# Altium PCB pico-fmeter-AS65-2.PcbDoc (part 2 of 3)
Units mm, origin at the board's own origin, x right, y up, seen from the top; angles counter-clockwise.
Board outline 150 x 100 mm, 2 copper layers (TOP, BOT), stack 1.57 mm thick; 208 components, 131 nets, 707 pads, 307 vias.
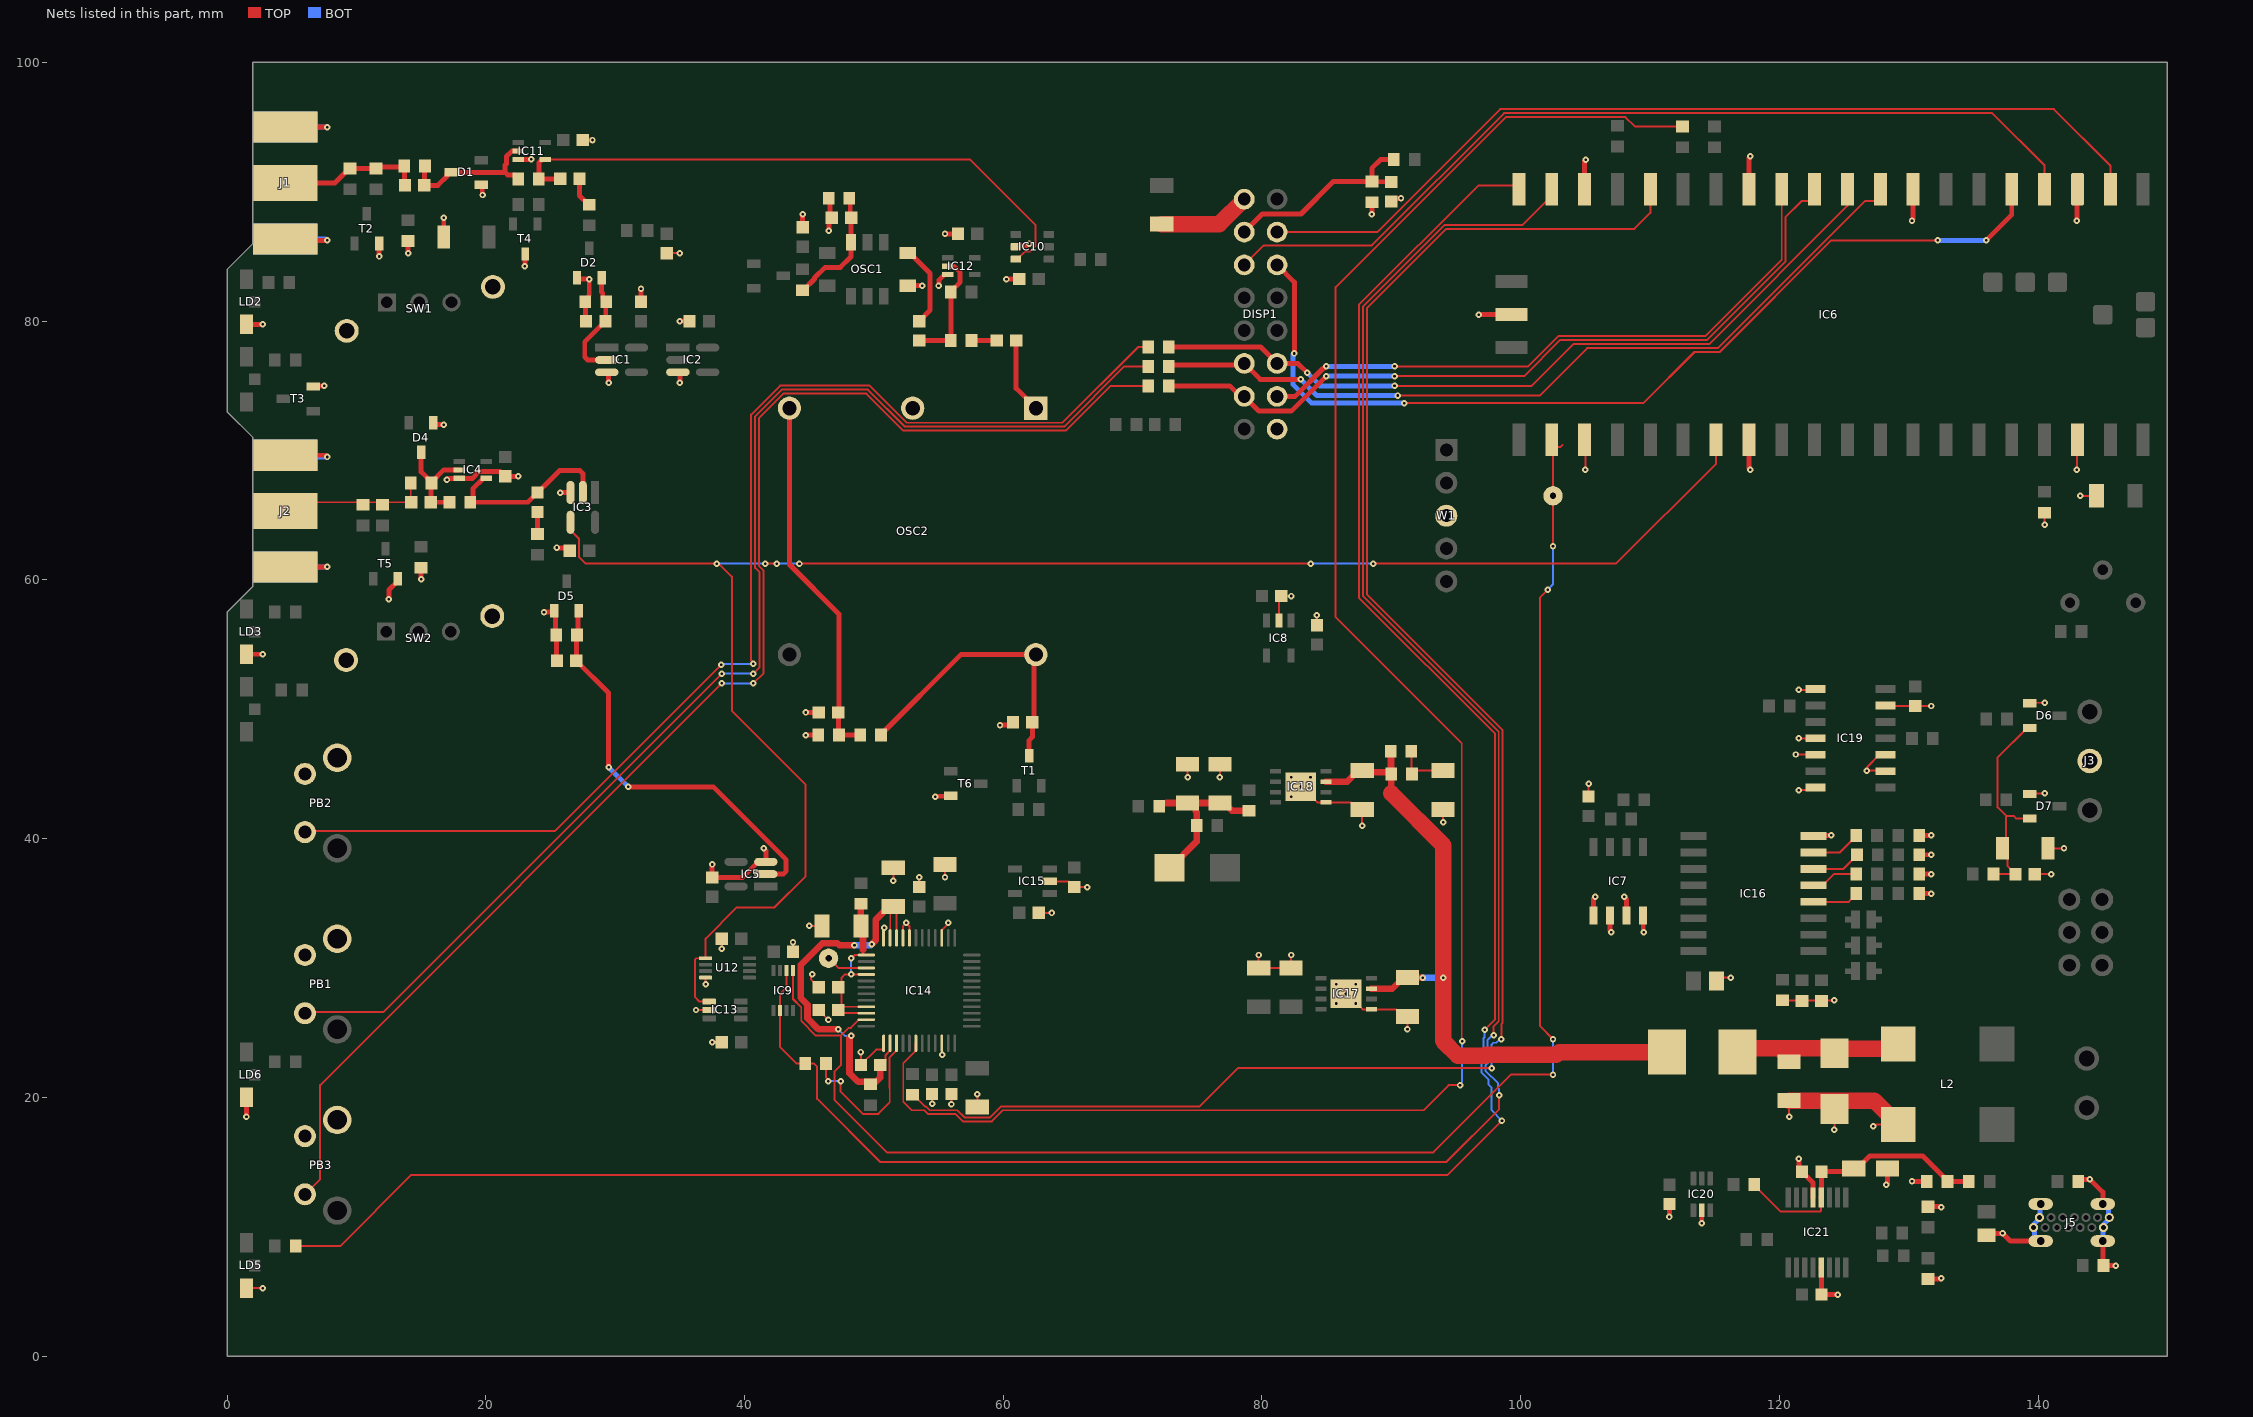
[diagram p2: the nets of this part, all layers, seen from the top]

## Part data
B1 B2: library part PLATED_HOLE0.5_PAD1.5, "Single Terminal Socket", Author="CERN DEM MR", Component Type="Standard (No BOM)", ComponentHeight=0mm, CreateDate=12.10.2017, Family="Plated Hole", HelpURL=Undefined, LatestRevisionDate=12.10.2017, Mounted=No, PackageDescription="Plated Through Hole: Hole Dia.=0.5mm Pad Dia.=1.5mm", Part Description="Plated Through Hole: Hole Dia.=0.5mm Pad Dia.=1.5mm", Part Number=PLATED_HOLE0.5_PAD1.5, Pin Count=1, Sense=No, SMD=No, Socket=No, Status=None
C1 C6 C7 C9 C11 C13 C14 C41: library part CC0603_1NF_50V_1%_NP0, "Non-polarised capacitor", Case=0603, Manufacturer=GENERIC, Manufacturer1 ComponentHeight=0.9mm, Manufacturer1 Example=AVX, Manufacturer1 Part Number=06035A102FAT2A, Tolerance=±1%, Voltage=50V, Author="CERN DEM JLC", Component Type=Standard, CreateDate=15.06.2017, HelpURL=\\cern.ch\dfs\Applications\Altium\Datasheets\CC0603_C0G_AVX.pdf, LatestRevisionDate=15.06.2017, Manufacturer Part Number=CC0603_1NF_50V_1%_NP0, Mounted=Yes, Part Description="SMD Multilayer Chip Ceramic Capacitor", Part Number=CC0603_1NF_50V_1%_NP0, Pin Count=2, Sense=No, SMD=Yes, Socket=No, Status=None, TC=C0G/NP0
C2 C3 C4 C5 C8 C10 C12 C15 C17 C18 C19 C21 C22 C24 C25 C29 C31 C32 C35 C38 C39 C42 C52 C53 C55 C59: library part CC0603_100NF_100V_10%_X7R, "Non-polarised capacitor", Case=0603, Manufacturer=GENERIC, Manufacturer1 ComponentHeight=0.9mm, Manufacturer1 Example=MURATA, Manufacturer1 Part Number=GRM188R72A104KA35D, Tolerance=±10%, Voltage=100V, Author="CERN DEM JLC", Component Type=Standard, CreateDate=11.12.2013, HelpURL=\\cern.ch\dfs\Applications\Altium\Datasheets\CC0603_MURATA_GRM188R72A104KA35D.pdf, LatestRevisionDate=11.12.2013, Manufacturer Part Number=CC0603_100NF_100V_10%_X7R, Mounted=Yes, Part Description="SMD Multilayer Chip Ceramic Capacitor", Part Number=CC0603_100NF_100V_10%_X7R, Pin Count=2, Sense=No, SMD=Yes, Socket=No, Status=None, TC=X7R
C16 C20 C23 C28 C30 C43 C44 C45 C46 C47 C48 C49 C50 C60: library part CC1206_22UF_10V_10%_X7R, "Non-polarised capacitor", Case=1206, Manufacturer=GENERIC, Manufacturer1 ComponentHeight=1.8mm, Manufacturer1 Example=MURATA, Manufacturer1 Part Number=GRM31CR71A226KE15L, Tolerance=±10%, Voltage=10V, Author="CERN DEM JLC", Component Type=Standard, CreateDate=08.06.2010, HelpURL=\\cern.ch\dfs\Applications\Altium\Datasheets\CC1206_X7R_MURATA_GRM-HI-CAP.pdf, LatestRevisionDate=08.06.2010, Manufacturer Part Number=CC1206_22UF_10V_10%_X7R, Mounted=Yes, Part Description="SMD Multilayer Chip Ceramic Capacitor", Part Number=CC1206_22UF_10V_10%_X7R, Pin Count=2, Sense=No, SMD=Yes, Socket=No, Status=Preferred, TC=X7R
C26: library part CC0805_100NF_50V_1%_NP0, "Non-polarised capacitor", Case=0805, Manufacturer=GENERIC, Manufacturer1 ComponentHeight=1.35mm, Manufacturer1 Example="WALSIN TECHNOLOGY CORPORATION", Manufacturer1 Part Number=0805N103F500C, Tolerance=±1%, Voltage=50V, Author="CERN DEM HF", Component Type=Standard, ComponentHeight=1.35mm, CreateDate=28.08.2023, HelpURL=\\cern.ch\dfs\Applications\Altium\Datasheets\CC0805_WALSIN_0805.pdf, LatestRevisionDate=28.08.2023, Manufacturer Part Number=CC0805_100NF_50V_1%_NP0, Mounted=Yes, Part Description="SMD Multilayer Chip Ceramic Capacitor", Part Number=CC0805_100NF_50V_1%_NP0, Pin Count=2, Sense=No, SMD=Yes, Socket=No, Status="Not Recommended", TC=C0G/NP0
C27 C33 C34 C36 C37 C40 C51: library part CC0603_2.2UF_10V_20%_X7R, "Non-polarised capacitor", Case=0603, Manufacturer=GENERIC, Manufacturer1 ComponentHeight=0.9mm, Manufacturer1 Example="TAIYO YUDEN", Manufacturer1 Part Number=LMK107B7225MA-T, Tolerance=±20%, Voltage=10V, Author="CERN DEM JLC", Component Type=Standard, CreateDate=22.06.2011, HelpURL=\\cern.ch\dfs\Applications\Altium\Datasheets\CC0603_X7R_TAIYO-YUDEN_HIGH-VALUE.pdf, LatestRevisionDate=27.06.2011, Manufacturer Part Number=CC0603_2.2UF_10V_20%_X7R, Mounted=Yes, Part Description="SMD Multilayer Chip Ceramic Capacitor", Part Number=CC0603_2.2UF_10V_20%_X7R, Pin Count=2, Sense=No, SMD=Yes, Socket=No, Status="Not Recommended", TC=X7R
C54: library part CTE3216-18_4.7UF_10V_10%_LESR1400, "Polarised capacitor", Case=A, Manufacturer=GENERIC, Manufacturer1 ComponentHeight=1.8mm, Manufacturer1 Example=AVX, Manufacturer1 Part Number=TPSA475K010R1400, Tolerance=±10%, Voltage=10V, Author="CERN DEM JLC", Component Type=Standard, CreateDate=05.05.2008, HelpURL=\\cern.ch\dfs\Applications\Altium\Datasheets\CTE-LESR_AVX_TPS.pdf, LatestRevisionDate=20.01.2009, Manufacturer Part Number=CTE3216-18_4.7UF_10V_10%_LESR1400, Mounted=Yes, Part Description="Low ESR 1R4 Solid Tantalum Chip Capacitor", Part Number=CTE3216-18_4.7UF_10V_10%_LESR1400, Pin Count=2, Sense=No, SMD=Yes, Socket=No, Status=Preferred
C56: library part CC0805_10NF_50V_5%_C0G, "Non-polarised capacitor", Case=0805, Manufacturer=GENERIC, Manufacturer1 ComponentHeight=0.88mm, Manufacturer1 Example=KEMET, Manufacturer1 Part Number=C0805C103J5GACTU, Tolerance=±5%, Voltage=50V, Author="CERN DEM JLC", Component Type=Standard, CreateDate=02.02.2011, HelpURL="\\cern.ch\dfs\Applications\Altium\Datasheets\CC0805_C0G_KEMET_(Commercial Grade).pdf", LatestRevisionDate=22.04.2015, Manufacturer Part Number=CC0805_10NF_50V_5%_C0G, Mounted=Yes, Part Description="SMD Multilayer Chip Ceramic Capacitor", Part Number=CC0805_10NF_50V_5%_C0G, Pin Count=2, Sense=No, SMD=Yes, Socket=No, Status=None, TC=C0G/NP0
C57 C58: library part CC0603_47PF_50V_5%_NP0, "Non-polarised capacitor", Case=0603, Manufacturer=GENERIC, Manufacturer1 ComponentHeight=0.87mm, Manufacturer1 Example=PHYCOMP, Manufacturer1 Part Number=223886715479, Tolerance=±5%, Voltage=50V, Author="CERN DEM JLC", Component Type=Standard, CreateDate=03.12.2007, HelpURL=\\cern.ch\dfs\Applications\Altium\Datasheets\CC0603_NP0_PHYCOMP.pdf, LatestRevisionDate=03.12.2007, Manufacturer Part Number=CC0603_47PF_50V_5%_NP0, Mounted=Yes, Part Description="SMD Multilayer Chip Ceramic Capacitor", Part Number=CC0603_47PF_50V_5%_NP0, Pin Count=2, Sense=No, SMD=Yes, Socket=No, Status=Preferred, TC=C0G/NP0
D1 D2 D4 D5 D6 D7: "Serial Diode", Case=SOT23-3, Manufacturer="FAIRCHILD SEMICONDUCTOR", Power=350mW, Voltage=70V, Author="CERN DEM JLC", Bonding=No, Component Type=Standard, ComponentHeight=1.1mm, CreateDate=06.05.2008, Device=BAV99, HelpURL=\\cern.ch\dfs\Applications\Altium\Datasheets\BAV99.pdf, LatestRevisionDate=27.09.2012, Manufacturer Part Number=BAV99, Mounted=Yes, PackageDescription="SOT, 0.95mm Pitch; 3 Pin, 1.40mm W X 3.00mm L X 1.10mm H body, IPC Medium Density", Part Description="Dual Series Signal Diode", Part Number=BAV99, Pin Count=3, PressFit=No, Sense=No, SMD=Yes, Socket=No
D3 D8: "Zener Diode", Case=SOD-80C, Manufacturer=NEXPERIA, Power=500mW, Voltage=3V3, Author="CERN DEM JLC", Bonding=No, Component Type=Standard, ComponentHeight=1.6mm, CreateDate=06.05.2008, Device=BZV55-B3V3, HelpURL=\\cern.ch\dfs\Applications\Altium\Datasheets\BZV55.pdf, LatestRevisionDate=22.01.2018, Manufacturer Part Number=BZV55-B3V3, Mounted=Yes, PackageDescription="SOD80C, MELF Diode, 2-Leads, Body 3.5x1.5mm, IPC Medium Density", Part Description="Voltage Regulator Diode", Part Number=BZV55-B3V3, Pin Count=2, PressFit=No, Sense=No, SMD=Yes, Socket=No
D9: "Zener Diode", Case=DO-214AA, Manufacturer="FAIRCHILD SEMICONDUCTOR", Power=600W, Voltage=5V, Author="CERN DEM JLC", Bonding=No, Component Type=Standard, ComponentHeight=2.65mm, CreateDate=08.12.2008, Device=SMBJ5V0A, HelpURL=\\cern.ch\dfs\Applications\Altium\Datasheets\SMBJ.pdf, LatestRevisionDate=19.12.2011, Manufacturer Part Number=SMBJ5V0A, Mounted=Yes, PackageDescription="DO-214-AA/SMB Diode, Molded Body; 5.34mm L X 3.625mm W X 2.65mm H, IPC Medium Density", Part Description="Uni-Directional Transient Voltage Suppressor Diode", Part Number=SMBJ5V0A, Pin Count=2, PressFit=No, Sense=No, SMD=Yes, Socket=No
D10: "Schottky Diode", Case=DO-214AA, Manufacturer="FAIRCHILD SEMICONDUCTOR", Power=2A, Voltage=60V, Author="CERN DEM JMW", Bonding=No, Component Type=Standard, ComponentHeight=2.65mm, CreateDate=10.07.2015, Device=SS26, HelpURL=\\cern.ch\dfs\Applications\Altium\Datasheets\SS26.pdf, LatestRevisionDate=10.07.2015, Manufacturer Part Number=SS26, Mounted=Yes, PackageDescription="DO-214-AA/SMB Diode, Molded Body; 5.34mm L X 3.625mm W X 2.65mm H, IPC Medium Density", Part Description="Schottky Rectifier", Part Number=SS26, Pin Count=2, PressFit=No, Sense=No, SMD=Yes, Socket=No
DISP1: "LCD character display socket with backlight"
IC1 IC2 IC3 IC5: library part CMP-0859-00076-5, "IC INVERTER SCHMITT 1CH SOT23-5", Case/Package=SOT-23, High Level Output Current=-4mA, Low Level Output Current=4mA, Max Operating Temperature=85°C, Max Supply Voltage=3.6V, Min Operating Temperature=-40°C, Min Supply Voltage=800mV, Package Quantity=3000, Quiescent Current=500nA, Contact Plating=Gold, Input Type="SCHMITT TRIGGER", Lead Free="Lead Free", Logic Function=Buffer, Mount="Surface Mount", Number of Bits=1, Number of Circuits=1, Number of Elements=1, Number of Gates=1, Number of Inputs=1, Number of Pins=5, Output Current=4mA, Packaging="Tape and Reel", Propagation Delay=20.5ns, Radiation Hardening=No, REACH SVHC="No SVHC", RoHS Compliant=Yes, Series=74AUP, Technology=CMOS, Turn-On Delay Time=6.2ns, Weight=0.000395oz
IC4 IC11 IC12: "Single Inverter Buffer", Case=SOT353, Manufacturer="NXP SEMICONDUCTORS", Author="CERN DEM JLC", Bonding=No, Component Type=Standard, ComponentHeight=1.1mm, CreateDate=11.01.2011, Device=74LVC1GU04GW, HelpURL=\\cern.ch\dfs\Applications\Altium\Datasheets\74LVC1GU04GW.pdf, LatestRevisionDate=11.01.2011, Manufacturer Part Number=74LVC1GU04GW, Mounted=Yes, PackageDescription="SOT353, SC70-5, 0.65mm Pitch; 5 Pin, 1.25mm W X 2.05mm L X 1.10mm H body, IPC Medium Density", Part Description=Inverter, Part Number=74LVC1GU04GW, Pin Count=3, PressFit=No, Sense=No, SMD=Yes, Socket=No
IC6: "RASPBERRY PI PICO RP2040 BOARD", Manufacturer="Raspberry Pi Foundation", Manufacturer Part No=SC0915, Supplier Part No=2648-SC0915CT-ND, Mounting Technology=SMT, Supplier=DigiKey, Supplier Link=https://www.digikey.com/en/products/detail/raspberry-pi/SC0915/13684020
IC7: library part CMP-2000-05370-2, "IC EEPROM 2K I2C 400KHZ 8SO", Ambient Temperature Range High=+85°C, Ambient Temperature Range Low=-40°C, Frequency=400kHz, Manufacturer=STMicroelectronics, Max Supply Voltage=5.5V, Min Supply Voltage=2.5V, Nominal Supply Current=0.5-1mA, Package=SO8N-SO-A, Temperature="-40°C to +85°C", Access Time=900ns, Automotive=No, Category=IC, ComponentLink2Description=Datasheet, ComponentLink2URL=https://www.st.com/resource/en/datasheet/m24c02-w.pdf, Device Class L1="Integrated Circuits (ICs)", Device Class L2=Memory, Device Class L3=EEPROM, Digikey Description="IC EEPROM 2K I2C 400KHZ 8SO", Height=1.75mm, Interface=I2C, Lead Free=Yes, Manufacturer Part Number=M24C02-WMN6TP, Memory Size=2Kbits, Memory Type=EEPROM, Mouser Description="M24C02 Series 2 Kb (256 x 8) 2.5 V SMT Serial I²C Bus EEPROM - SOIC-8", Octopart=https://octopart.com/m24c02-wmn6tp-stmicroelectronics-55404516, RoHS=TRUE, Standoff Height=0.1mm, Temperature Range High=+85°C, Temperature Range Low=-40°C
IC8 IC15: "600mA, Low-Dropout Linear Regulator", Case=SOT23-5, Manufacturer=RICHTEK, Author="CERN DEM BC", Bonding=No, Component Type=Standard, ComponentHeight=1mm, CreateDate=02.03.2020, Device=RT9080-33GJ5, HelpURL=\\cern.ch\dfs\Applications\Altium\Datasheets\RT9080-33GJ5.pdf, LatestRevisionDate=02.03.2020, Manufacturer Part Number=RT9080-33GJ5, Mounted=Yes, PackageDescription="SOT23, 0.95mm Pitch; 5 Pin, 1.60mm W X 2.90mm L X 1.00mm H body, IPC Medium Density", Part Description="3.3V, 600mA, Low-Dropout Linear Regulator", Part Number=RT9080-33GJ5, Pin Count=5, PressFit=No, Sense=No, SMD=Yes, Socket=No
IC9: "Low-Power Single Positive-Edge-Triggered D-Type Flip-Flop with Clear and Preset", Case=TSSOP8, Manufacturer="TEXAS INSTRUMENTS", Author="CERN DEM JLC", Bonding=No, Component Type=Standard, ComponentHeight=0.9mm, CreateDate=07.01.2015, Device=SN74AUP1G74DCUR, HelpURL=\\cern.ch\dfs\Applications\Altium\Datasheets\SN74AUP1G74DCUR.pdf, LatestRevisionDate=07.01.2015, Manufacturer Part Number=SN74AUP1G74DCUR, Mounted=Yes, PackageDescription="SOP, 0.50mm pitch; 8 pin, 2.30mm W X 2.00mm L X 0.90mm H body, IPC Medium Density", Part Description="Low-Power Single Positive-Edge-Triggered D-Type Flip-Flop with Clear and Preset", Part Number=SN74AUP1G74DCUR, Pin Count=8, PressFit=No, Sense=No, SMD=Yes, Socket=No
IC10: library part CMP-0859-00219-3, "Low-Power Configurable Multiple-Function Gate, DBV0006A, LARGE T&R", F @ Nom Voltage(Max)(Mhz)=100, Generic Part Number=SN74AUP1G97, ICC @ Nom Voltage(Max)(mA)=0.0009, Manufacturer="Texas Instruments", Operating Temperature Range(C)="-40 to 85", Rating=Catalog, tpd @ Nom Voltage(Max)(ns)=36.7,21.4,14.8,11.8,8.8,7.3, Voltage(Nom)(V)=0.8,1.2,1.5,1.8,2.5,3.3, 3-State Output=No, Bits(#)=1, DatasheetVersion=SCES505J, Gate Type=Configurable, Input Type=CMOS, Logic=True, Output Drive (IOL/IOH)(Max)(mA)=20/-20, Output Type=CMOS, PackageReference=DBV0006A, Schmitt Trigger=No, Sub-Family="Configurable Logic", Technology Family=AUP, VCC(Max)(V)=3.6, VCC(Min)(V)=0.8
IC13 IC20: library part CMP-0859-00523-3, "Low-Power Configurable Multiple-Function Gate, DCK0006A, LARGE T&R", F @ Nom Voltage(Max)(Mhz)=100, Generic Part Number=SN74AUP1G97, ICC @ Nom Voltage(Max)(mA)=0.0009, Manufacturer="Texas Instruments", Operating Temperature Range(C)="-40 to 85", Rating=Catalog, tpd @ Nom Voltage(Max)(ns)=36.7,21.4,14.8,11.8,8.8,7.3, Voltage(Nom)(V)=0.8,1.2,1.5,1.8,2.5,3.3, 3-State Output=No, Bits(#)=1, DatasheetVersion=SCES505J, Gate Type=Configurable, Input Type=CMOS, Logic=True, Output Drive (IOL/IOH)(Max)(mA)=20/-20, Output Type=CMOS, PackageReference=DCK0006A, Schmitt Trigger=No, Sub-Family="Configurable Logic", Technology Family=AUP, VCC(Max)(V)=3.6, VCC(Min)(V)=0.8
IC14: library part CMP-22772-000002-1, "AS6501-FLQM LQFP48 LF T&RDP", Ambient Temperature Range High=+125°C, Ambient Temperature Range Low=-40°C, Manufacturer=ams, Max Supply Voltage=3.6V, Min Supply Voltage=2.4V, Nominal Supply Current=60uA, Package=0, Temperature="-40°C to +125°C", Automotive=No, Category=IC, ComponentLink2Description=Datasheet, ComponentLink2URL=https://ams.com/documents/20143/36005/AS6501_DS000586_1-00.pdf, Device Class L1="Integrated Circuits (ICs)", Device Class L2="Interface ICs", Device Class L3="Sensor and Detector Interfaces", Digikey Description="AS6501-FLQM LQFP48 LF T&RDP", Height=1.6mm, Interface=SPI,LVDS, Ipc Land Pattern Name=QFP50P900X900X160-48, Lead Free=Yes, Manufacturer Part Number=AS6501-FLQM, Max Junction Temp=+125°C, Octopart=https://octopart.com/as6501-flqm-ams-96297058, RoHS=TRUE, Sensor Input=LVDS,Other, Sensor Output=LVDS, Standoff Height=0.005mm, Temperature Range High=+125°C, Temperature Range Low=-40°C
IC16: "Remote 8-bit I/O Expander For I2C Bus", Case=SOIC16W, Manufacturer="TEXAS INSTRUMENTS", Author="CERN DEM JLC", Bonding=No, Component Type=Standard, ComponentHeight=2.65mm, CreateDate=25.08.2011, Device=PCF8574DW, HelpURL=\\cern.ch\dfs\Applications\Altium\Datasheets\PCF8574DW.pdf, LatestRevisionDate=25.08.2011, Manufacturer Part Number=PCF8574DW, Mounted=Yes, PackageDescription="SOIC, 1.27mm Pitch; 16 Pin, 7.50mm W X 10.3mm L X 2.65mm H body, IPC Medium Density", Part Description="Remote 8-bit I/O Expander for I2C Bus", Part Number=PCF8574DW, Pin Count=16, PressFit=No, Sense=No, SMD=Yes, Socket=No
IC17 IC18: "1.5 A, Very Low-Dropout (VLDO) Fast Transient Response Regulator", Case=SON8, Manufacturer="ON SEMICONDUCTOR", Manufacturer Part Number=NCP59151MN50TY, Author="CERN DEM JLC", Bonding=No, Component Type=Standard, ComponentHeight=1mm, CreateDate=27.11.2013, Device=NCP59151MN50TYG, HelpURL=\\cern.ch\dfs\Applications\Altium\Datasheets\NCP59151MN50TYG.pdf, LatestRevisionDate=24.05.2022, Mounted=Yes, PackageDescription="SON, 0.80mm Pitch, 8 Pin, 4mm X 4mm X 1.00mm H Body (w/Thermal Tab 2.21 X 2.39mm),  IPC Medium Density", Part Description="5V, 1.5A, Very Low-Dropout (VLDO) Fast Transient Response Regulator", Part Number=NCP59151MN50TYG, Pin Count=9, PressFit=No, Sense=No, SMD=Yes, Socket=No
IC19: "Quadruple Bus Buffer with 3-State Outputs", Case=SOIC14, Manufacturer="TEXAS INSTRUMENTS", Author="CERN DEM JLC", Bonding=No, Component Type=Standard, ComponentHeight=1.75mm, CreateDate=30.06.2011, Device=SN74HC125D, HelpURL=\\cern.ch\dfs\Applications\Altium\Datasheets\SN74HC125D.pdf, LatestRevisionDate=30.06.2011, Manufacturer Part Number=SN74HC125D, Mounted=Yes, PackageDescription="SOIC 14, Pitch 1.27mm - Body 4x8.75mm, IPC Medium Density", Part Description="Quadruple Bus Buffer with 3-State Outputs", Part Number=SN74HC125D, Pin Count=14, PressFit=No, Sense=No, SMD=Yes, Socket=No
IC21: "USB To Basic UART IC", Case=SSOP16, Manufacturer="FUTURE TECHNOLOGY DEVICES INTERNATIONAL (FTDI)", Author="CERN DEM JLC", Bonding=No, Component Type=Standard, ComponentHeight=1.75mm, CreateDate=12.02.2013, Device=FT230XS-R, HelpURL=\\cern.ch\dfs\Applications\Altium\Datasheets\FT230XS-R.pdf, LatestRevisionDate=12.02.2013, Manufacturer Part Number=FT230XS-R, Mounted=Yes, PackageDescription="SOP, 0.635mm Pitch; 16 Pin, 3.9mm W X 4.895mm L X 1.75mm H body, IPC Medium Density", Part Description="USB to Serial UART Interface", Part Number=FT230XS-R, Pin Count=16, PressFit=No, Sense=No, SMD=Yes, Socket=No
J1 J2: library part JOHNSON_142-0701-871, Manufacturer=JOHNSON, Manufacturer Part Number=142-0701-871, Author="CERN DEM JLC", Component Type=Standard, ComponentHeight=8.05mm, CreateDate=17.04.2013, Family=SMA, HelpURL=\\cern.ch\dfs\Applications\Altium\Datasheets\JOHNSON_142-0701-871.pdf, LatestRevisionDate=17.04.2013, Mounted=Yes, Part Description="SMA End Launch Straight Bulkhead Jack Receptacle - Round Contact", Part Number=JOHNSON_142-0701-871, Pin Count=2, PressFit=No, Sense=No, SMD=No, Socket=No, Status=None
J3: library part PHOENIX_1803280, "Connector 3 Male", Manufacturer="PHOENIX CONTACT", Manufacturer Part Number="1803277 (MC 1,5/ 3-G-3,81)", Author="CERN DEM BC", Component Type=Standard, ComponentHeight=7.25mm, CreateDate=23.09.2019, HelpURL=\\cern.ch\dfs\Applications\Altium\Datasheets\PHOENIX_1803280.pdf, LatestRevisionDate=23.09.2019, Mounted=Yes, Part Description="8A 160 V, Pitch: 3.81mm, 3 Positions  Right Angled Header", Part Number=PHOENIX_1803280, Pin Count=3, PressFit=No, Sense=No, SMD=No, Socket=No, Status=None
J4: library part PHOENIX_1803277, "Connector 2 Male", Manufacturer="PHOENIX CONTACT", Manufacturer Part Number="1803277 (MC 1,5/ 2-G-3,81)", Author="CERN DEM JLC", Component Type=Standard, ComponentHeight=7.25mm, CreateDate=06.05.2014, HelpURL=\\cern.ch\dfs\Applications\Altium\Datasheets\PHOENIX_1803277.pdf, LatestRevisionDate=06.05.2014, Mounted=Yes, Part Description="8A 160 V, Pitch: 3.81mm, 2 Positions  Right Angled Header", Part Number=PHOENIX_1803277, Pin Count=2, PressFit=No, Sense=No, SMD=No, Socket=No, Status=None
J5: library part KYCON_KUSBX-SL-CS1N14-B, "2x7 Pin + 1 Shield  USB Type C Receptacle", Manufacturer=KYCON, Manufacturer Part Number=KUSBX-SL-CS1N14-B, Author="CERN DEM BC", Component Type=Standard, ComponentHeight=8.34mm, CreateDate=03.11.2020, Family="USB 2.0", HelpURL=\\cern.ch\dfs\Applications\Altium\Datasheets\KYCON_KUSBX-SL-CS1N14-B.pdf, LatestRevisionDate=03.11.2020, Mounted=Yes, Part Description="USB 2.0 Type C Receptacle, High Temp., Flag Style Through Hole 14 Pin, Black", Part Number=KYCON_KUSBX-SL-CS1N14-B, Pin Count=18, PressFit=No, Sense=No, SMD=No, Socket=No, Status=None
KNB1 KNB2 KNB3: library part KNB_OMRON_B32-2010_h, "Knob For Push-Button Switch OMRON SERIE B32", Manufacturer=OMRON, Manufacturer Part Number=B32-2010, Author="CERN DEM HF", Component Type=Mechanical, ComponentHeight=7mm, CreateDate=13.05.2022, Family=Knob, HelpURL=\\cern.ch\dfs\Applications\Altium\Datasheets\KNB_OMRON_B32-2010.pdf, LatestRevisionDate=13.05.2022, Mounted=Yes, PackageDescription="Black Knob For OMRON Push-Button Switch (Dia. 6mm L=5.5mm) Horizontal", Part Description="Black Knob For OMRON Push-Button Switch (Dia. 6mm L=5.5mm)", Part Number=KNB_OMRON_B32-2010_h, Pin Count=0, PressFit=No, Sense=No, SMD=No, Socket=No, Status=None
L1: library part IND_47UH_20%_WURTH_WE-LHMI_74437349470, "Inductor With Core", Manufacturer="WURTH ELEKTRONIK", Manufacturer Part Number=74437349470, Power=1.45A, Resistance=0.290R, Tolerance=±20%, Author="CERN DEM HF", Component Type=Standard, ComponentHeight=5mm, CreateDate=22.11.2023, HelpURL=\\cern.ch\dfs\Applications\Altium\Datasheets\IND_WURTH_WE-LHMI_74437349470.pdf, LatestRevisionDate=22.11.2023, Mounted=Yes, Part Description="SMD Power Inductor (WE-LHMI Series)", Part Number=IND_47UH_20%_WURTH_WE-LHMI_74437349470, Pin Count=2, Sense=No, SMD=Yes, Socket=No
L2: library part IND_1MH_40%_BOURNS_SRF1006, "Inductor Common Mode", Manufacturer=BOURNS, Manufacturer Part Number=SRF1006-102Y, Power=0.95A, Resistance=0.180R, Tolerance=±40%, Author="CERN DEM HF", Component Type=Standard, ComponentHeight=6.5mm, CreateDate=30.01.2024, HelpURL=\\cern.ch\dfs\Applications\Altium\Datasheets\IND_BOURNS_SRF1006.pdf, LatestRevisionDate=30.01.2024, Mounted=Yes, Part Description="Line Filter, Common Mode Choke", Part Number=IND_1MH_40%_BOURNS_SRF1006, Pin Count=2, Sense=No, SMD=Yes, Socket=No
L3: library part IND0603_TDK_MPZ1608S331ATA00, Case=0603, Manufacturer=TDK, Manufacturer Part Number=MPZ1608S331ATA00, Power=1.7A, Resistance=0.08R, Tolerance=±25%, Author="CERN DEM JLC", Component Type=Standard, ComponentHeight=0.8mm, CreateDate=10.01.2018, HelpURL=\\cern.ch\dfs\Applications\Altium\Datasheets\IND0603_TDK_MPZ1608.pdf, LatestRevisionDate=25.10.2018, Mounted=Yes, Part Description="SMT Chip Bead for Power Line", Part Number=IND0603_TDK_MPZ1608S331ATA00, Pin Count=2, Sense=No, SMD=Yes, Socket=No
LD1 LD2 LD3 LD4 LD5 LD6: library part LED_AVAGO_HSME-C110, "LED Green 1C 2A", Case=1206, Manufacturer="AVAGO TECHNOLOGIES", Manufacturer Part Number=HSME-C110, Author="CERN DEM JMW", Bonding=No, Color=Green, Component Type=Standard, ComponentHeight=1.1mm, ComponentLink1Description="Design Guide", ComponentLink1URL=\\cern.ch\dfs\Applications\Altium\Datasheets\LED_AVAGO_HSME-C110_DESIGN-GUIDE.pdf, CreateDate=30.07.2009, HelpURL=\\cern.ch\dfs\Applications\Altium\Datasheets\LED_AVAGO_HSME-C110.pdf, LatestRevisionDate=20.06.2012, Mounted=Yes, PackageDescription="Green Chip LED, 2-Leads, Body 3.3x1.6mm, Side Emitting Package", Part Description="High Performance Right Angle Chip Green LED", Part Number=LED_AVAGO_HSME-C110, Pin Count=2, PressFit=No, Sense=No, SMD=Yes, Socket=No
OSC1: library part OSC_10MHZ_CONNOR-WINFIELD_D75A-010.0M, "Oscillator 4 pins 4=GND 5=OUT 8=E/D 9=VCC", Manufacturer=CONNOR-WINFIELD, Manufacturer Part Number=D75A-010.0M, Author="CERN DEM JLC", Bonding=No, Component Type=Standard, ComponentHeight=2mm, CreateDate=22.11.2011, HelpURL=\\cern.ch\dfs\Applications\Altium\Datasheets\OSC_CONNOR-WINFIELD_D75A.pdf, LatestRevisionDate=22.11.2011, Mounted=Yes, PackageDescription="SMD TCXO, Side Concave, 10 Pins, 5.00x7.00mm, D75 Series", Part Description="3.3V, ±0.28ppm, 15pF, 0 to 70°C, LVCMOS, Precision Tri-State Surface Mount TCXO Temperature Compensated Crystal Oscillator, D75A Series", Part Number=OSC_10MHZ_CONNOR-WINFIELD_D75A-010.0M, Pin Count=4, PressFit=No, Sense=No, SMD=Yes, Socket=No
OSC2: library part OSC_10MHZ_CONNOR-WINFIELD_OH100-71003SV, "STRATUM 3E High Stability Oven Stabilized Oscillator, VCOCXO (OH100 Series)", Manufacturer=CONNOR-WINFIELD, Manufacturer Part Number=OH100-71003SV-010.0M, Author="CERN DEM BC", Bonding=No, Component Type=Standard, ComponentHeight=12.7mm, CreateDate=15.02.2021, HelpURL=\\cern.ch\dfs\Applications\Altium\Datasheets\OSC_CONNOR-WINFIELD_OH100.pdf, LatestRevisionDate=15.02.2021, Mounted=Yes, PackageDescription="5 Pins, 25.4mm x 25.4mm, THD Oven Stabilized Oscillator OH100 Series", Part Description="Sinewave 5V, ±5.0ppb, 0°C ..+70°C, STRATUM 3E High Stability Oven Stabilized Oscillator,  VCOCXO  (OH100 Series)", Part Number=OSC_10MHZ_CONNOR-WINFIELD_OH100-71003SV, Pin Count=5, PressFit=No, Sense=No, SMD=No, Socket=No
P1: library part TRIM_25T_2K_BOURNS_3296Z-1-202LF, "Trimming Potentiometer", Case=3296Z, Manufacturer=BOURNS, Manufacturer Part Number=3296Z-1-202LF, Power=0.5W, Tolerance=±10%, Author="CERN DEM JLC", Component Type=Standard, ComponentHeight=10.03mm, CreateDate=31.03.2014, HelpURL=\\cern.ch\dfs\Applications\Altium\Datasheets\TRIM_BOURNS_3296Z.pdf, LatestRevisionDate=31.03.2014, Mounted=Yes, Part Description="25 Turn Trimming Potentiometer (Side Adjustment)", Part Number=TRIM_25T_2K_BOURNS_3296Z-1-202LF, Pin Count=3, PressFit=No, Sense=No, SMD=No, Socket=No, TC=±100ppm/°C
PB1 PB2 PB3: library part PB_OMRON_B3F-3150, "Push-Button Switch SPST", Manufacturer=OMRON, Manufacturer Part Number=B3F-3150, Author="CERN DEM HF", Component Type=Standard, ComponentHeight=7.4mm, CreateDate=13.05.2022, Family="Push Button", HelpURL=\\cern.ch\dfs\Applications\Altium\Datasheets\PB_OMRON_B3F-3150.pdf, LatestRevisionDate=13.05.2022, Mounted=Yes, PackageDescription="7.3x6.25mm Model, Side-operated , Projected Plunger Type (without Ground Terminal) Pushbutton Switch, OMRON B3F Series", Part Description="24VDC 50mA SPST-NO Tactile Push-Button Switch, Side-operated (h=7.4mm)", Part Number=PB_OMRON_B3F-3150, Pin Count=4, PressFit=No, Sense=No, SMD=No, Socket=No, Status=None
R1 R38 R39: library part R0603_10R_1%_0.1W_100PPM, "Resistor - 1%", Case=0603, Manufacturer=GENERIC, Manufacturer1 ComponentHeight=0.6mm, Manufacturer1 Example="STACKPOLE ELECTRONICS", Manufacturer1 Part Number=RMCF0603FT10R0, Power=0.1W, Tolerance=±1%, Author="CERN DEM HF", Component Type=Standard, CreateDate=06.02.2024, HelpURL=\\cern.ch\dfs\Applications\Altium\Datasheets\R0603_STACKPOLE_RMCF.pdf, LatestRevisionDate=06.02.2024, Manufacturer Part Number=R0603_10R_1%_0.1W_100PPM, Mounted=Yes, Part Description="General Purpose Thick Film Chip Resistor", Part Number=R0603_10R_1%_0.1W_100PPM, Pin Count=2, PressFit=No, Sense=No, SMD=Yes, Socket=No, Status=Preferred, TC=±100ppm/°C
R2 R3 R4 R5 R6 R13 R16 R21 R36 R37 R42 R47 R48 R49 R61 R62 R63 R64: library part R0603_10K_1%_0.1W_100PPM, "Resistor - 1%", Case=0603, Manufacturer=GENERIC, Manufacturer1 ComponentHeight=0.55mm, Manufacturer1 Example="NIC COMPONENT", Manufacturer1 Part Number=NRC06F1002TRF, Power=0.1W, Tolerance=±1%, Author="CERN DEM JLC", Component Type=Standard, CreateDate=03.12.2007, HelpURL=\\cern.ch\dfs\Applications\Altium\Datasheets\R0603_NIC_NRC.pdf, LatestRevisionDate=13.03.2008, Manufacturer Part Number=R0603_10K_1%_0.1W_100PPM, Mounted=Yes, Part Description="General Purpose Thick Film Chip Resistor", Part Number=R0603_10K_1%_0.1W_100PPM, Pin Count=2, PressFit=No, Sense=No, SMD=Yes, Socket=No, Status=Preferred, TC=±100ppm/°C
R7 R19 R25 R50 R67 R69: library part R0603_330R_1%_0.1W_100PPM, "Resistor - 1%", Case=0603, Manufacturer=GENERIC, Manufacturer1 ComponentHeight=0.55mm, Manufacturer1 Example="NIC COMPONENT", Manufacturer1 Part Number=NRC06F3300TRF, Power=0.1W, Tolerance=±1%, Author="CERN DEM JLC", Component Type=Standard, CreateDate=03.12.2007, HelpURL=\\cern.ch\dfs\Applications\Altium\Datasheets\R0603_NIC_NRC.pdf, LatestRevisionDate=13.03.2008, Manufacturer Part Number=R0603_330R_1%_0.1W_100PPM, Mounted=Yes, Part Description="General Purpose Thick Film Chip Resistor", Part Number=R0603_330R_1%_0.1W_100PPM, Pin Count=2, PressFit=No, Sense=No, SMD=Yes, Socket=No, Status=Preferred, TC=±100ppm/°C
R8 R11 R20 R23 R41 R43 R44 R45 R46 R59 R60 R65 R66 R68 R70 R71 R72: library part R0603_470R_1%_0.1W_100PPM, "Resistor - 1%", Case=0603, Manufacturer=GENERIC, Manufacturer1 ComponentHeight=0.55mm, Manufacturer1 Example="NIC COMPONENT", Manufacturer1 Part Number=NRC06F4700TRF, Power=0.1W, Tolerance=±1%, Author="CERN DEM JLC", Component Type=Standard, CreateDate=03.12.2007, HelpURL=\\cern.ch\dfs\Applications\Altium\Datasheets\R0603_NIC_NRC.pdf, LatestRevisionDate=13.03.2008, Manufacturer Part Number=R0603_470R_1%_0.1W_100PPM, Mounted=Yes, Part Description="General Purpose Thick Film Chip Resistor", Part Number=R0603_470R_1%_0.1W_100PPM, Pin Count=2, PressFit=No, Sense=No, SMD=Yes, Socket=No, Status=Preferred, TC=±100ppm/°C